# KiCad board Video Timer.kicad_pcb (continued)
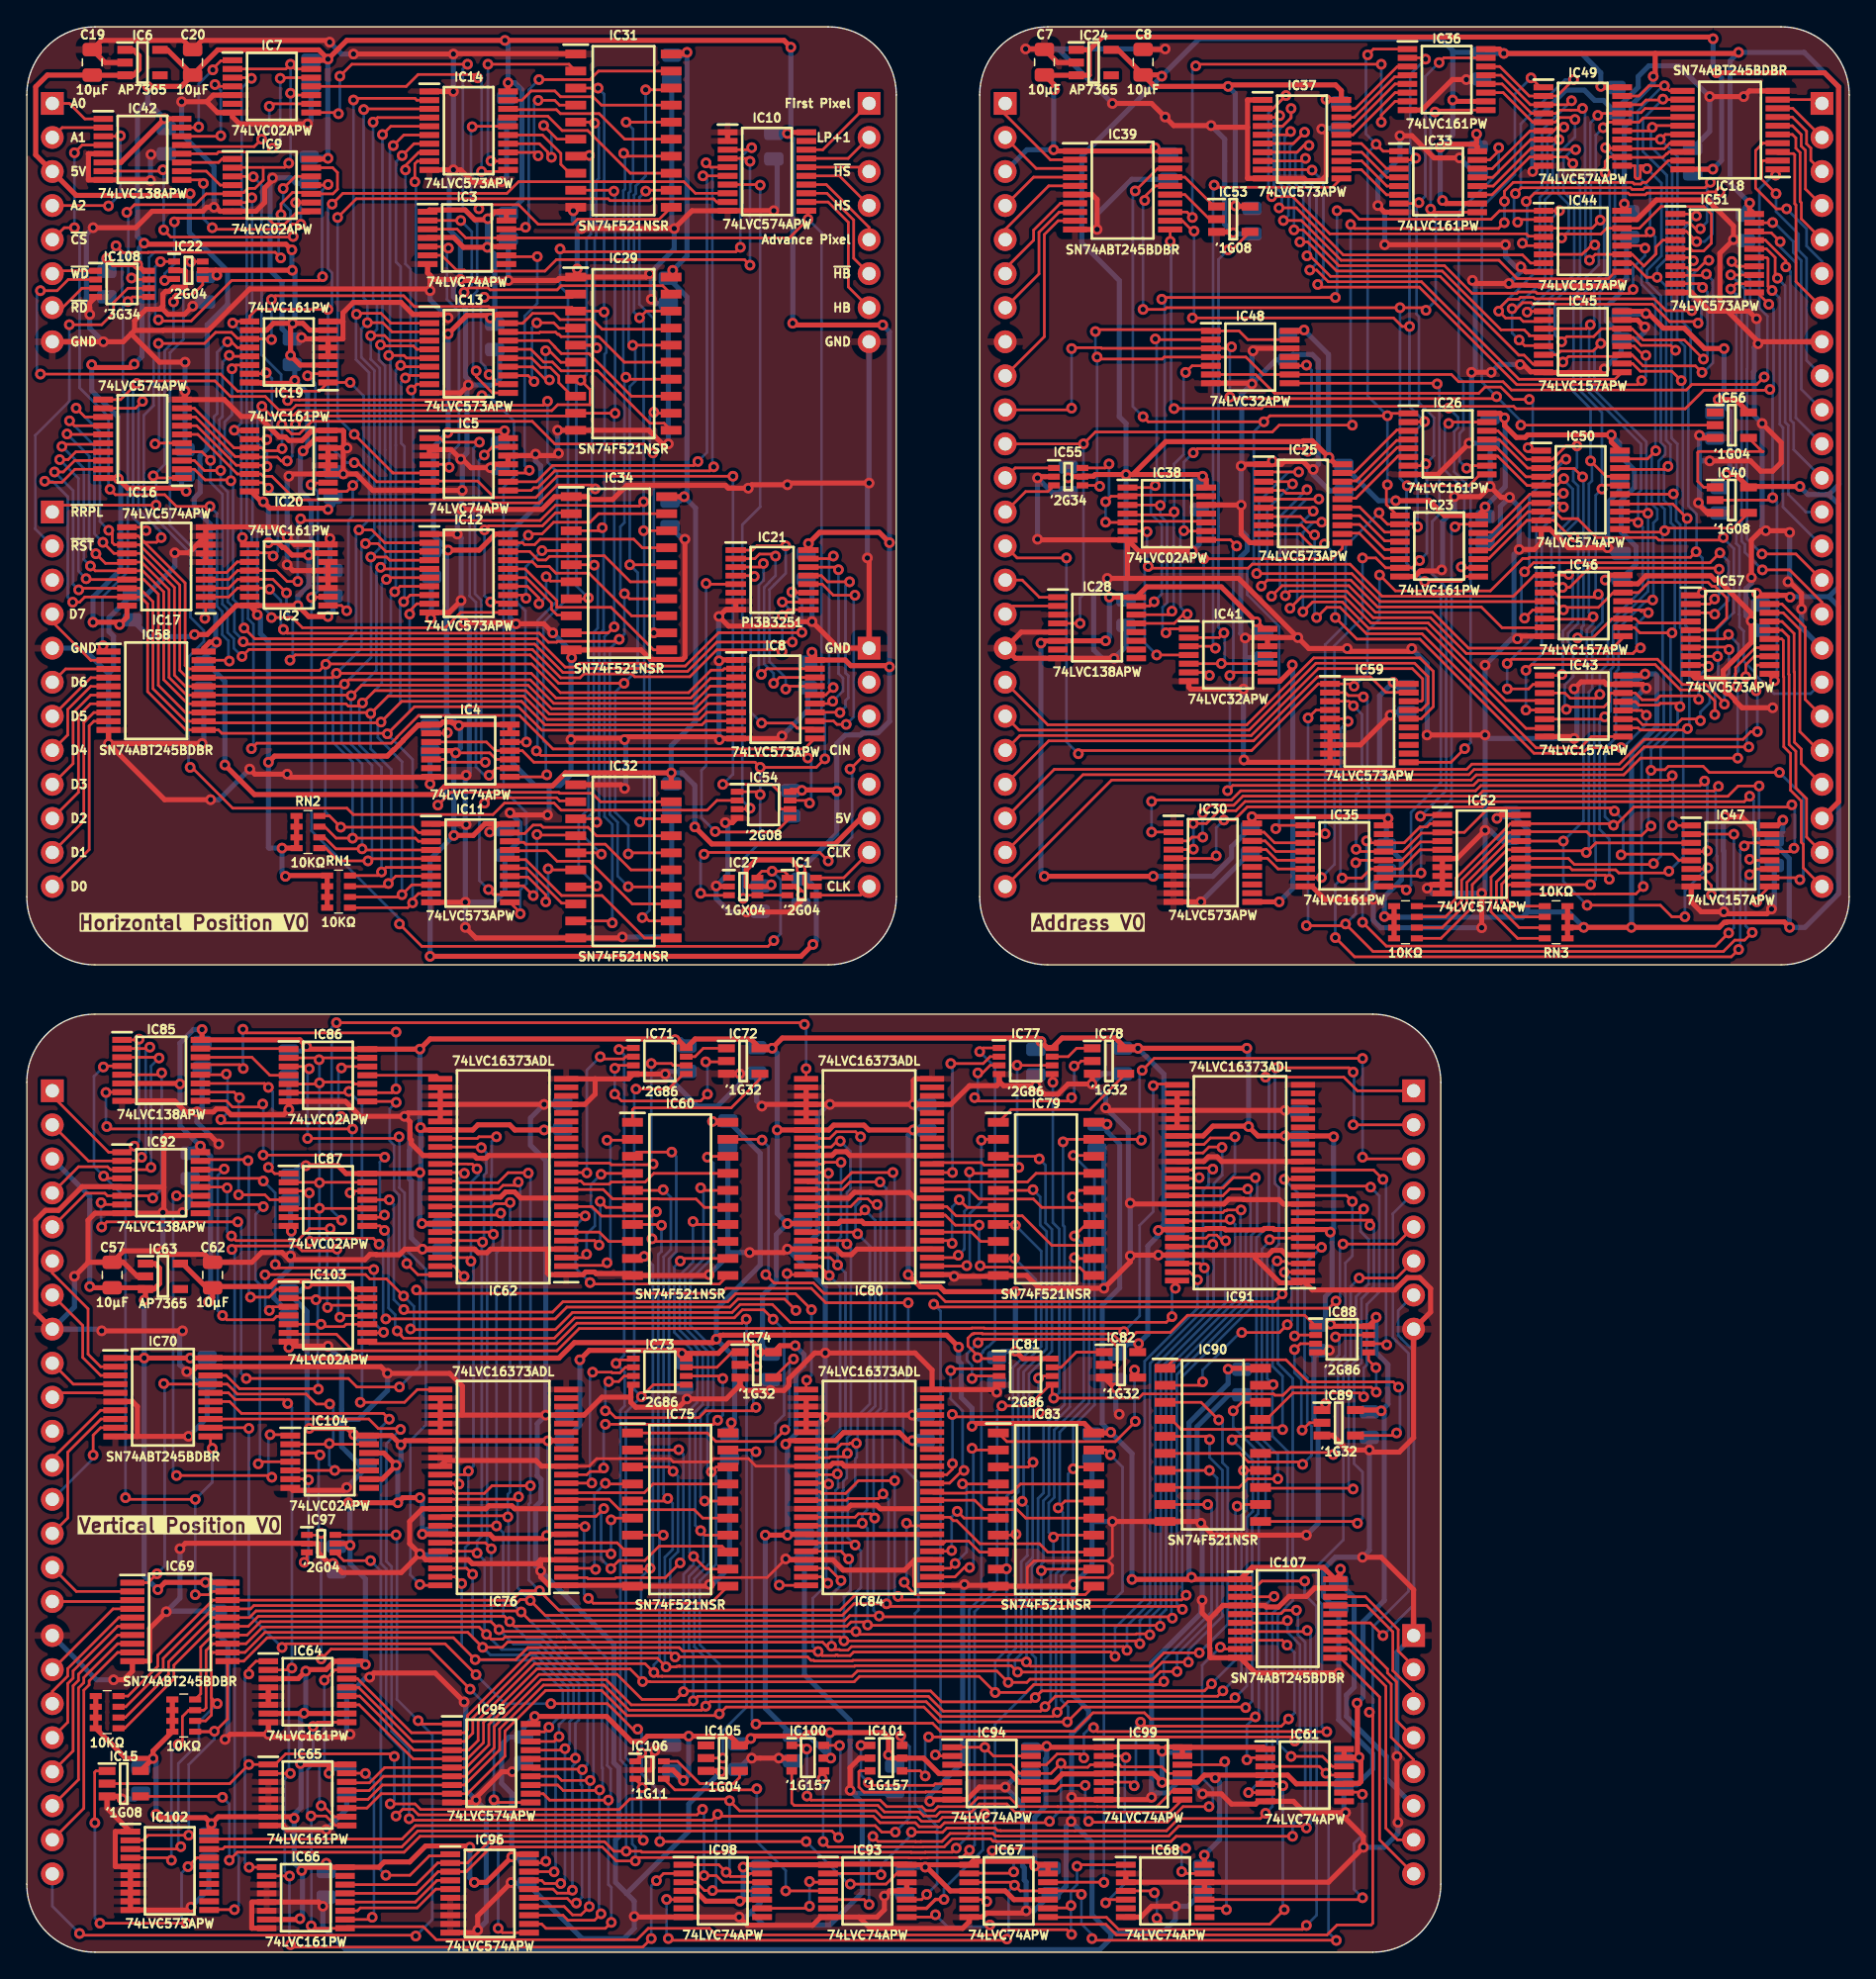
[diagram p0: board, top side]
## Routing (per net, layer and track width the routed paths; a pad name or vN(x,y) marks a point on that pad's centre or on a via; arc(x,y) is an arc through that point) (continued)
/Address Position/A0: length 4.5
  Top w0.2: IC28.1 75.58,101.08 74.29,102.36 J4.15
/Address Position/A1: length 4.2
  Top w0.2: J4.16 73.63,100.43 IC28.2
/Address Position/Address Bank ~{CS}: length 35.2
  Top w0.2: v1(95.6,111.96) 95.41,112.16 87.36,112.16 v1(87.06,111.86) ; v1(86.36,106.04) 86.39,106.01 IC38.9 ; IC48.10 95.46,118.35 v1(95.51,118.4) ; v1(86.61,99.82) 86.33,99.82 85.64,99.13 IC28.13
  Bottom w0.2: v1(95.6,111.96) 95.88,112.25 95.88,118.02 v1(95.51,118.4) ; v1(86.61,99.82) 86.11,100.33 86.11,105.79 v1(86.36,106.04) 86.36,111.16 v1(87.06,111.86)
/Address Position/Address High ~{CS}: length 26.6
  Top w0.2: v1(85.47,100.04) 85.21,99.78 IC28.14 ; v1(85.64,107.45) 85.41,107.23 82.24,107.23 ; IC48.5 86.98,118.35 v1(86.49,117.86)
  Bottom w0.2: v1(86.49,117.86) 86.34,117.71 86.34,111.73 85.64,111.03 v1(85.64,107.45) 85.6,107.41 85.6,100.17 v1(85.47,100.04)
/Address Position/Address Low ~{CS}: length 28.2
  Top w0.2: IC28.15 83.82,100.43 v1(84.14,100.75) ; v1(84.23,120.35) 84.28,120.3 IC48.2 ; v1(84.23,109.41) 84.08,109.26 IC38.1
  Bottom w0.2: v1(84.23,120.35) 84.33,120.25 84.33,109.51 v1(84.23,109.41) 83.9,109.08 83.9,107.31 84.71,106.5 84.71,101.32 v1(84.14,100.75)
/Address Position/Advance Pixel: length 34.3
  Top w0.2: v1(101.09,136.52) 101.09,137.05 102.12,138.07 IC36.7 ; IC39.13 86.59,129.82 v1(87,129.41) ; v1(101.09,140.84) 87.38,140.84 v1(87.25,140.72)
  Bottom w0.2: v1(87,129.41) 87,140.46 v1(87.25,140.72) ; v1(101.09,140.84) v1(101.09,136.52)
/Address Position/Advance Pixel _{IN}: length 7.7
  Top w0.2: 78.24,130.47 77.14,130.47 75.15,128.47 75.15,127.72 73.03,125.59
/Address Position/Advance Row: length 4.2
  Top w0.2: IC39.17 86.44,132.42 88.62,130.24
/Address Position/Advance Row _{IN}: length 6.2
  Top w0.2: J4.2 75.34,133.07 78.24,133.07
/Address Position/C0: length 43.8
  Top w0.2: IC36.14 109.94,140.67 112.14,138.47 IC49.2 114.22,138.47 v1(115.44,139.7) ; IC51.2 124.1,129.02 124.55,128.58 v1(124.9,128.58) ; v1(111.27,129.06) 111.47,129.26 IC44.2 ; v1(125.65,132.04) 125.25,131.63 120.76,131.63 120.64,131.51 119.81,131.51 119.68,131.63 111.53,131.63 v1(111.1,131.2)
  Bottom w0.2: v1(115.44,139.7) 114.81,139.7 111.51,136.4 111.51,131.6 v1(111.1,131.2) 111,131.09 111,129.34 v1(111.27,129.06) ; v1(124.9,128.58) 125.4,129.08 125.4,131.79 v1(125.65,132.04)
/Address Position/C1: length 42.8
  Top w0.2: v1(126.36,131.32) 125.5,131.32 125.41,131.23 120.93,131.23 120.8,131.11 119.64,131.11 119.52,131.23 112.53,131.23 v1(111.91,130.61) ; v1(111.62,127.49) 111.81,127.31 IC44.5 ; 108.9,140.02 110.02,140.02 112.22,137.82 IC49.3 114.99,137.82 v1(115.29,138.12) ; IC51.3 123.87,128.37 v1(124.63,127.61)
  Bottom w0.2: v1(115.29,138.12) 113.09,135.92 113.09,131.79 v1(111.91,130.61) 111.98,130.54 111.98,127.84 v1(111.62,127.49) ; v1(126.36,131.32) 125.8,130.76 125.8,128.19 125.23,127.61 v1(124.63,127.61)
/Address Position/C2: length 27.9
  Top w0.2: IC51.4 122.11,127.72 121.6,127.22 121.6,126.7 120.69,125.79 119.82,126.66 IC44.11 117.07,126.66 v1(116.63,126.22) ; IC36.12 110.11,139.37 112.31,137.17 IC49.4 114.13,137.17 114.38,137.42 115.26,137.42 115.26,137.42 115.84,137.42 115.84,137.42 115.98,137.42 v1(116.11,137.55)
  Bottom w0.2: v1(116.63,126.22) 116.33,126.52 116.33,131.9 116.3,131.93 116.3,137.36 v1(116.11,137.55)
/Address Position/C3: length 35.2
  Top w0.2: v1(115.55,136.72) 115.4,136.87 114.41,136.87 114.07,136.52 112.39,136.52 110.19,138.72 108.9,138.72 ; IC51.5 124.18,127.07 124.34,126.91 125.15,126.91 125.73,127.49 125.73,129.67 125.17,130.23 121.97,130.23 120.35,128.61 IC44.14 117.92,128.61 117.48,128.18 114.84,128.18 v1(114.55,127.89)
  Bottom w0.2: v1(115.55,136.72) 115.55,135.42 114.29,134.16 114.29,131.17 115.09,130.37 115.09,128.43 v1(114.55,127.89)
/Address Position/C4: length 48.1
  Top w0.2: 108.26,133.05 109.38,133.05 112.2,135.87 IC49.6 113.96,135.87 114.24,136.16 v1(114.73,136.16) ; IC51.6 124.16,126.42 v1(124.38,126.19) ; 113.09,121.65 111.69,121.65 111.43,121.91 110.37,121.91 v1(109.86,122.43) 109.86,122.6 110.57,123.31 111.33,123.31 111.48,123.46 112.45,123.46 112.56,123.34 121.47,123.34 122.35,122.46 v1(124.27,122.46)
  Bottom w0.2: v1(114.73,136.16) 114.24,136.16 113.49,135.41 113.49,131.48 112.92,130.91 112.92,125.67 109.86,122.6 v1(109.86,122.43) ; v1(124.38,126.19) 124.38,126.09 123.97,125.68 123.97,122.76 v1(124.27,122.46)
/Address Position/C5: length 49
  Top w0.2: v1(125.54,126.22) 125.39,126.22 124.67,125.49 124.09,125.49 123.92,125.67 123.15,125.67 ; v1(114.36,135.22) 112.24,135.22 109.42,132.4 IC33.13 ; 113.17,119.85 111.8,119.85 v1(111.38,120.27) ; v1(110.86,122.61) 111.2,122.61 111.65,123.05 112.28,123.05 112.39,122.94 121.31,122.94 122.6,121.65 124.63,121.65 v1(124.74,121.54)
  Bottom w0.2: v1(111.38,120.27) 110.86,120.79 v1(110.86,122.61) 111.05,122.61 113.32,124.88 113.32,130.74 113.89,131.31 113.89,134.76 v1(114.36,135.23) ; v1(125.54,126.22) 125.39,126.22 124.37,125.19 124.37,123.35 124.98,122.74 124.98,121.78 v1(124.74,121.54)
/Address Position/C6: length 47.5
  Top w0.2: 113.29,134.48 115.59,134.48 v1(115.6,134.47) ; IC45.11 119.81,119.17 120.63,118.34 124.54,118.34 v1(125.03,117.85) ; v1(125.36,125.19) 125.26,125.09 123.07,125.09 ; IC49.8 112.26,134.57 109.44,131.75 IC33.12 ; v1(114.65,118.63) 115.06,119.04 118.93,119.04
  Bottom w0.2: v1(125.36,125.19) 125.84,124.71 125.84,118.56 125.14,117.85 v1(125.03,117.85) ; v1(115.6,134.47) 115.37,134.47 114.69,133.8 114.69,131.34 115.49,130.54 115.49,125.19 113.65,123.34 113.65,119.63 v1(114.65,118.63)
/Address Position/C7: length 42.7
  Top w0.2: v1(125.07,124.2) 124.8,124.47 IC51.9 ; v1(114.55,120.14) 114.94,120.52 116.94,120.52 117.53,121.12 IC45.14 119.8,121.12 120.65,120.27 123.72,120.27 v1(125.14,118.85) ; IC33.11 109.36,131.1 112.18,133.92 IC49.9 114.9,133.92 v1(115.39,133.44)
  Bottom w0.2: v1(115.39,133.44) 115.39,132.28 115.93,131.74 115.93,125.06 114.05,123.18 114.05,120.65 v1(114.55,120.14) ; v1(125.14,118.85) 125.44,119.14 125.44,123.83 v1(125.07,124.2)
/Address Position/C8: length 37.6
  Top w0.2: 124.19,100.57 125.59,100.57 v1(125.97,100.95) ; IC46.2 114.35,102.08 v1(114.62,101.82) 115.15,101.82 116.59,103.26 126.23,103.26 v1(126.31,103.18) ; v1(115.7,112.37) 114.87,112.37 113.87,111.37 IC50.2 111.93,111.37 109.8,113.5 IC26.14
  Bottom w0.2: v1(114.62,101.82) 114.39,102.05 114.39,105.46 115.79,106.86 115.79,109.38 115.42,109.75 115.42,110.47 115.7,110.75 v1(115.7,112.37) ; v1(125.97,100.95) 126.31,101.29 v1(126.31,103.18)
/Address Position/C9: length 44.5
  Top w0.2: v1(114.88,111.38) 114.59,111.38 113.93,110.72 IC50.3 112.02,110.72 109.89,112.85 108.97,112.85 ; 113.4,100.12 112.39,100.12 v1(111.79,99.52) ; IC57.3 125.87,99.92 v1(125.98,99.82) ; v1(111.79,102.99) 112.46,103.66 125.63,103.66 v1(126.36,104.39)
  Bottom w0.2: v1(111.79,99.52) 111.55,99.76 111.55,102.75 v1(111.79,102.99) 112.14,103.34 112.14,108.64 v1(114.88,111.38) ; v1(126.36,104.39) 127.01,103.75 127.01,100.85 v1(125.98,99.82)
/Address Position/C10: length 29.8
  Top w0.2: 108.73,112.26 109.7,112.26 111.89,110.07 IC50.4 ; 124.07,99.16 120.38,99.16 120.05,99.48 IC46.11 ; 119.25,99.47 118.3,99.47 116.88,98.04 v1(115.74,98.04) ; 113.38,110.1 113.88,110.1 114.46,110.68 115.49,110.68 v1(116.12,110.06)
  Bottom w0.2: v1(116.12,110.06) 116.19,109.99 116.19,98.97 116.04,98.82 116.04,98.34 v1(115.74,98.04)
/Address Position/C11: length 36
  Top w0.2: v1(114.69,100.14) 114.87,100.32 117.29,100.32 118.39,101.42 119.25,101.42 ; IC57.5 125.97,98.62 126.87,99.53 126.87,101.03 126.01,101.9 125.78,101.9 125.49,102.19 121.04,102.19 120.29,101.43 IC46.14 ; IC50.5 111.98,109.42 109.79,111.61 108.73,111.61 ; 113.38,109.45 114.24,109.45 v1(114.72,109.93)
  Bottom w0.2: v1(114.69,100.14) 113.79,101.04 113.79,105.44 115.39,107.03 115.39,109.15 114.72,109.82 v1(114.72,109.93)
/Address Position/C12: length 53.9
  Top w0.2: v1(126.7,93.11) 126.7,93.2 125.33,94.57 123.59,94.57 121.7,96.46 110.81,96.46 v1(110.49,96.14) ; v1(127.01,98.3) 126.67,97.97 124.19,97.97 ; 108.1,105.94 109.34,105.94 112.17,108.77 IC50.6 114.62,108.77 v1(114.69,108.84) ; 113.4,94.58 112.42,94.58 112.08,94.24 v1(110.5,94.24)
  Bottom w0.2: v1(114.69,108.84) 114.69,108.77 114.43,108.51 114.4,108.51 113.99,108.1 113.99,108.07 112.67,106.75 112.67,98.32 v1(110.49,96.14) 110.49,94.25 v1(110.5,94.24) ; v1(126.7,93.11) 126.7,94.5 127.53,95.32 127.53,95.37 127.74,95.59 127.74,97.57 v1(127.01,98.3)
/Address Position/C13: length 50.3
  Top w0.2: v1(114.69,107.81) 114.38,108.12 IC50.7 112.13,108.12 109.3,105.29 108.1,105.29 ; 113.36,92.66 v1(111.89,92.66) ; v1(127.04,97.18) 126.86,97.36 124.23,97.36 ; v1(125.98,92.33) 125.98,93.35 125.17,94.17 123.42,94.17 121.53,96.06 112.31,96.06 v1(111.89,95.63)
  Bottom w0.2: v1(111.89,92.66) v1(111.89,95.63) 113.07,96.81 113.07,106.2 v1(114.69,107.81) ; v1(125.98,92.33) 126,92.35 126,94.36 127.04,95.4 v1(127.04,97.18)
/Address Position/C14: length 43.4
  Top w0.2: v1(126.62,105.54) 126.43,105.34 121.8,105.34 121.61,105.54 117.14,105.54 115.74,106.95 114.56,106.95 114.15,107.36 113.52,107.36 ; IC50.8 112.05,107.47 109.22,104.64 108.1,104.64 ; IC57.8 126.18,96.67 v1(126.19,96.66) ; v1(124.91,91.87) 124.78,92 123.54,92 123.12,91.58 120.59,91.58 120.17,91.99 IC43.11
  Bottom w0.2: v1(124.91,91.87) 124.91,92.52 125.6,93.21 125.6,94.53 126.24,95.16 126.24,96.61 v1(126.19,96.66) 126.19,98.73 127.41,99.95 127.41,104.71 126.62,105.5 v1(126.62,105.54)
/Address Position/C15: length 38.2
  Top w0.2: v1(115.49,105.56) 115.22,105.56 113.97,106.82 IC50.9 111.97,106.82 109.14,103.99 108.1,103.99 ; v1(124.78,93.46) 124.52,93.73 121.92,93.73 121.63,93.43 120.56,93.43 120.05,93.94 IC43.14 ; 119.25,93.93 118.22,93.93 118.1,93.81 118.1,93.29 117.71,92.9 115.08,92.9 v1(114.91,92.72) ; IC57.9 125.42,96.02 v1(125.52,95.92)
  Bottom w0.2: v1(114.91,92.72) 114.79,92.84 114.79,94.54 115.42,95.17 115.42,97.37 115.04,97.75 115.04,98.39 115.79,99.14 115.79,105.26 v1(115.49,105.56) ; v1(124.78,93.46) 124.78,95.19 v1(125.52,95.92)
/Address Position/C16: length 65.3
  Top w0.2: IC59.2 98.42,93.97 98.64,93.74 99.66,93.74 v1(99.76,93.65) ; v1(127.02,76.04) 126.04,75.06 101.47,75.06 v1(99.69,76.83) ; IC52.2 104.74,84.19 104.49,83.95 103.99,83.95 102.8,82.76 IC35.14 100.14,82.76 v1(99.99,82.91) ; IC47.2 127.41,83.41 v1(127.41,83.4)
  Bottom w0.2: v1(99.69,76.83) 99.69,78.73 99.99,79.03 v1(99.99,82.91) 100.18,83.1 100.18,86.83 100.06,86.96 100.06,93.35 v1(99.76,93.65) ; v1(127.41,83.4) 127.41,76.43 v1(127.02,76.04)
/Address Position/C17: length 42.8
  Top w0.2: IC47.5 123.3,81.46 122.84,81.92 119.04,81.92 v1(118.99,81.86) ; v1(99.01,92.98) 98.68,93.32 IC59.3 ; v1(118.49,85.13) 118.26,85.36 109.11,85.36 107.29,83.54 IC52.3 ; 105.59,83.48 104.09,83.48 102.72,82.11 IC35.13 99.38,82.11 v1(99.21,82.28)
  Bottom w0.2: v1(118.99,81.86) 119.14,82.02 119.14,84.48 v1(118.49,85.13) ; v1(99.21,82.28) 99.21,86.35 99.66,86.79 99.66,92.34 v1(99.01,92.98)
/Address Position/C18: length 70.4
  Top w0.2: v1(128.78,76.07) 128.21,75.5 127.47,75.5 126.63,74.66 100.48,74.66 v1(98.43,76.71) 98.3,76.58 v1(95.5,76.58) ; v1(128.59,80.39) 129,80.81 IC47.11 ; 97.26,92.67 96.22,92.67 v1(95.63,92.07) ; 105.59,82.83 104,82.83 102.63,81.46 IC35.12 99.37,81.46 v1(99.19,81.28)
  Bottom w0.2: v1(98.43,76.71) 99.19,77.47 v1(99.19,81.28) ; v1(95.5,76.58) 95.63,76.71 v1(95.63,92.07) ; v1(128.78,76.07) 128.29,76.56 128.29,80.09 v1(128.59,80.39)
/Address Position/C19: length 67.2
  Top w0.2: v1(127.76,74.8) 127.22,74.26 99.1,74.26 v1(97.66,75.69) ; IC59.5 98.42,92.02 v1(98.61,91.82) ; v1(128.19,82.53) 128.41,82.76 IC47.14 ; v1(98.17,80.14) 99.63,80.14 100.3,80.81 IC35.11 102.55,80.81 103.98,82.24 IC52.5
  Bottom w0.2: v1(97.66,75.69) 97.66,79.63 v1(98.17,80.14) 98.04,80.26 98.04,91.25 v1(98.61,91.82) ; v1(128.19,82.53) 127.89,82.23 127.89,74.93 v1(127.76,74.8)
/Address Position/D0: length 109.1
  Top w0.2: IC49.19 120.31,138.47 121.08,139.24 v1(122.22,139.24) 122.6,138.86 IC18.11 ; v1(131.89,82.36) 131.64,82.11 IC47.13 ; RN4.4 106.11,78.03 106.68,78.61 106.68,80.14 110.73,84.19 IC52.19 118.31,84.19 v1(118.43,84.07) 118.59,84.07 119.94,85.43 131.57,85.43 v1(131.73,85.6) ; v1(121.16,128.34) 120.87,128.06 119.15,128.06 ; v1(121.35,100.88) 121.24,100.77 119.25,100.77 ; v1(121.58,112.01) 120.97,111.4 119.26,111.4
  Bottom w0.2: v1(122.22,139.24) 122.12,139.24 120.22,137.34 120.22,132.51 121.16,131.57 v1(121.16,128.34) 121.54,127.96 121.54,126.65 120.52,125.63 120.52,124.43 121.56,123.4 121.56,112.04 v1(121.58,112.01) 121.28,111.71 121.28,108.05 121.69,107.63 121.69,106.92 121.4,106.63 121.4,100.93 v1(121.35,100.88) 120.92,100.88 118.8,98.76 118.8,95.71 118.61,95.52 118.61,90.62 117.91,89.93 117.91,89.42 117.79,89.29 117.79,84.71 v1(118.43,84.07) ; v1(131.89,82.36) 131.95,82.42 131.95,85.38 v1(131.73,85.6)
/Address Position/D0_{IN/OUT}: length 3
  Top w0.2: IC18.9 133.7,138.21
/Address Position/D1: length 114.8
  Top w0.2: IC44.10 119.83,126.01 120.89,124.95 v1(121.68,124.95) ; 111.57,83.59 116.42,83.59 116.7,83.31 120.53,83.31 v1(121.22,84.01) ; 119.25,98.82 120,98.82 120.4,98.42 v1(122.79,98.42) ; v1(121.22,88.17) 121.27,88.22 122.27,88.22 122.52,88.47 125.11,88.47 125.57,88.01 v1(130.81,88.01) ; v1(122.49,110.85) 122.26,110.62 119.4,110.62 ; IC49.18 120.5,137.82 120.85,138.18 122.05,138.18 v1(122.11,138.24) 122.15,138.21 IC18.12 ; 103.75,77.23 105.87,77.23 107.08,78.45 107.08,79.98 110.65,83.54 IC52.18 ; v1(132.33,80.01) 132.19,80.16 IC47.10
  Bottom w0.2: v1(122.11,138.24) 120.62,136.75 120.62,134.34 121.2,133.76 121.21,133.76 122.4,132.57 122.4,126.38 121.68,125.66 v1(121.68,124.95) 122.36,124.28 122.36,112.79 122.68,112.47 122.68,111.03 v1(122.49,110.85) 122.19,110.55 122.19,108.31 122.7,107.8 122.7,106.63 123,106.33 123,98.64 v1(122.79,98.42) 122.68,98.32 122.68,91.2 121.22,89.74 v1(121.22,88.17) 121.03,87.98 121.03,84.2 v1(121.22,84.01) ; v1(132.33,80.01) 132.59,80.27 132.59,86.23 v1(130.81,88.01)
/Address Position/D1_{IN/OUT}: length 4.2
  Top w0.2: IC18.8 131.81,137.56 J6.2
/Address Position/D2: length 106.7
  Top w0.2: IC49.17 117.4,137.17 v1(117.25,137.03) ; 122.8,137.54 120.78,137.54 120.48,137.24 119.19,137.24 ; v1(117.03,127.37) 116.82,127.37 116.38,126.92 116.34,126.92 116.08,126.66 IC44.6 ; v1(125.46,80.9) 125.37,80.81 IC47.6 ; 119.26,110.1 117.86,110.1 v1(116.71,111.25) ; v1(116.46,78.1) 121.92,78.1 122.78,77.24 v1(123.75,77.24) ; RN4.2 105.64,76.43 107.48,78.28 107.48,79.81 110.56,82.89 IC52.17 v1(114.68,82.89) ; 113.43,99.44 116.72,99.44 v1(116.9,99.62)
  Bottom w0.2: v1(125.46,80.9) 123.75,79.19 v1(123.75,77.24) ; v1(117.25,137.03) 116.7,136.47 116.7,132.1 116.73,132.07 116.73,127.67 v1(117.03,127.37) 117.33,127.07 117.33,125.9 116.19,124.75 116.19,124.3 115.44,123.56 115.44,116.41 116.71,115.14 v1(116.71,111.25) 116.82,111.15 116.82,109.77 116.59,109.54 116.59,99.94 v1(116.9,99.62) 116.9,99.12 116.44,98.66 116.44,94.78 116.19,94.53 116.19,84.39 v1(114.68,82.89) 114.68,79.88 v1(116.46,78.1)
/Address Position/D2_{IN/OUT}: length 6.1
  Top w0.2: IC18.7 131.78,136.91 132.83,135.85 132.83,134.91 133.15,134.59 133.15,133.67 J6.3
/Address Position/D3: length 97.9
  Top w0.2: RN4.1 105.55,75.63 107.88,77.97 107.88,79.64 110.48,82.24 IC52.16 ; IC47.3 117.11,82.76 v1(116.39,82.04) 116.27,82.17 111.6,82.17 ; v1(117.29,101.3) 117.07,101.09 114.35,101.09 114.03,101.42 113.4,101.42 ; IC44.3 116.82,128.61 v1(117.43,129.22) ; 119.26,109.45 117.85,109.45 v1(117.56,109.16) ; 123.51,136.84 120.64,136.84 120.33,136.52 118.07,136.52 v1(117.66,136.11)
  Bottom w0.2: v1(117.66,136.11) 117.1,135.55 117.1,132.27 117.43,131.93 v1(117.43,129.22) 117.73,128.92 117.73,125.33 116.59,124.19 116.59,124.14 115.99,123.54 115.99,116.43 117.56,114.86 v1(117.56,109.16) 117.09,108.69 117.09,101.5 v1(117.29,101.3) 117.6,100.99 117.6,99.25 116.84,98.49 116.84,94.26 116.59,94.01 116.59,82.23 v1(116.39,82.04)
/Address Position/D3_{IN/OUT}: length 8
  Top w0.2: J6.4 132.75,131.53 132.75,134.42 132.44,134.74 132.44,135.6 131.78,136.26 IC18.6
/Address Position/D4: length 95.2
  Top w0.2: IC49.15 121.06,135.87 v1(121.32,136.14) 121.46,136.27 123.56,136.27 ; v1(123.06,119.51) 122.69,119.87 120.48,119.87 119.89,120.47 IC45.13 ; IC50.15 122.87,108.77 v1(122.89,108.79) ; v1(123.38,92.92) 123.14,93.17 121.93,93.17 121.79,93.03 120.33,93.03 120.07,93.29 IC43.13 ; v1(121.41,81.21) 121.34,81.15 115.51,81.15 115.06,81.59 IC52.15 110.67,81.59 109.29,80.2 109.29,77.61 111.26,75.63 RN3.4
  Bottom w0.2: v1(121.41,81.21) 121.95,81.75 121.95,89.9 123.21,91.16 123.21,92.75 v1(123.38,92.92) 123.49,93.03 123.49,98.71 123.4,98.8 123.4,106.5 123.1,106.8 123.1,108.58 v1(122.89,108.79) 123.19,109.09 123.19,112.52 122.76,112.96 122.76,119.21 v1(123.06,119.51) 122.76,119.81 122.76,126.16 122.8,126.21 122.8,133.1 121.22,134.68 121.22,136.03 v1(121.32,136.14)
/Address Position/D4_{IN/OUT}: length 9.9
  Top w0.2: IC18.5 131.78,135.61 132.03,135.35 132.03,134.57 132.35,134.26 132.35,130.6 132.44,130.51 132.44,129.3 J6.5
/Address Position/D5: length 95.7
  Top w0.2: RN3.3 111.38,76.43 109.69,78.13 109.69,79.85 110.78,80.94 IC52.14 115.15,80.94 115.34,80.75 118.59,80.75 118.82,80.51 122.42,80.51 v1(122.55,80.64) ; IC45.10 119.85,118.52 120.43,117.94 122.78,117.94 v1(123.48,117.24) ; v1(123.95,91.28) 123.84,91.18 120.42,91.18 120.27,91.33 119.25,91.33 ; IC18.16 122.28,135.61 v1(121.92,135.24) 121.89,135.27 119.29,135.27 ; 118.98,108.04 122.85,108.04 v1(123.93,106.96)
  Bottom w0.2: v1(122.55,80.64) 123.64,81.73 123.64,90.97 v1(123.95,91.28) 124.08,91.42 124.08,98.69 123.8,98.97 123.8,106.84 v1(123.93,106.96) 123.59,107.3 123.59,117.13 v1(123.48,117.24) 123.76,117.51 123.76,119.8 123.17,120.38 123.17,126.01 123.2,126.05 123.2,133.96 v1(121.92,135.24)
/Address Position/D5_{IN/OUT}: length 13.6
  Top w0.2: v1(131.34,130.06) 130.57,130.06 129.03,131.6 129.03,134.41 129.58,134.96 IC18.4
  Bottom w0.2: v1(131.34,130.06) 132.83,128.57 132.83,127.29 133.98,126.14 J6.6
/Address Position/D6: length 89.4
  Top w0.2: IC52.13 110.69,80.29 110.09,79.68 110.09,78.3 111.15,77.23 113.29,77.23 ; IC50.13 120.87,107.47 v1(120.99,107.34) ; 119.32,134.54 122.22,134.54 122.63,134.96 IC18.17 ; IC43.6 117.59,91.99 v1(117.76,92.16) ; 111.59,80.35 117.81,80.35 v1(118.11,80.05) ; IC49.13 117.88,134.57 v1(117.83,134.62) ; IC45.6 114.2,119.17 114.48,119.44 116.9,119.44 v1(117.48,120.01)
  Bottom w0.2: v1(117.83,134.62) 118.53,133.92 118.53,125 118.26,124.73 118.26,124.71 117.39,123.85 117.39,120.1 v1(117.48,120.01) 117,119.54 117,116.55 120.88,112.68 120.88,107.46 v1(120.99,107.34) 121,107.33 121,101.52 118.4,98.92 118.4,95.88 118.21,95.68 118.21,92.6 v1(117.76,92.16) 117.39,91.78 117.39,83.77 118.11,83.05 v1(118.11,80.05)
/Address Position/D6_{IN/OUT}: length 13.6
  Top w0.2: J6.7 132.04,124.62 132.04,130.35 131.95,130.44 131.95,134.09 131.86,134.18 130.68,134.18
/Address Position/D7: length 84.1
  Top w0.2: RN3.1 110.93,78.03 110.49,78.48 110.49,79.51 110.61,79.64 IC52.12 116.71,79.64 v1(116.71,79.65) ; v1(116.69,121.41) 116.4,121.12 IC45.3 ; v1(117.8,132.76) 117.8,133.59 118.13,133.92 IC49.12 ; IC43.3 114.8,93.94 115.2,93.55 117.11,93.55 v1(117.41,93.84) ; v1(120.26,106.66) 120.1,106.82 IC50.12 ; IC18.18 122.57,134.31 122.44,134.17 122.39,134.17 122.12,133.89 119.1,133.89
  Bottom w0.2: v1(116.71,79.65) 117.09,80.03 117.09,82.78 116.99,82.89 116.99,93.42 v1(117.41,93.84) 117.41,95.5 118,96.1 118,99.09 120.6,101.69 120.6,106.32 v1(120.26,106.66) 120.26,108.84 120.48,109.06 120.48,112.51 116.6,116.38 116.6,121.32 v1(116.69,121.41) 116.99,121.7 116.99,124.01 117.86,124.88 117.86,124.9 118.13,125.17 118.13,132.42 v1(117.8,132.76)
/Address Position/D7_{IN/OUT}: length 19.1
  Top w0.2: IC18.2 129.58,133.66 129.48,133.56 129.48,132.27 v1(130.56,131.19)
  Bottom w0.2: J6.9 132.83,118.75 132.83,126.37 132.24,126.97 132.24,128.17 130.56,129.85 v1(130.56,131.19)
/Address Position/Device ~{CS}: length 85.1
  Top w0.2: v1(98.81,128.89) 99.11,128.59 109.83,128.59 v1(110.27,129.03) ; J4.11 v1(78.87,112.52) 79.76,113.41 92.96,113.41 93.47,113.92 v1(98.93,113.92) ; IC18.19 122.51,133.66 120.89,132.03 120.6,132.03 120.47,131.91 119.97,131.91 119.85,132.03 110.94,132.03 110.28,131.37 v1(110.28,130.62) ; IC28.4 v1(78.61,99.13)
  Bottom w0.2: v1(110.27,129.03) 110.28,129.04 v1(110.28,130.62) ; v1(98.93,113.92) 98.81,114.05 v1(98.81,128.89) ; v1(78.87,112.52) 78.87,101.29 78.61,101.03 v1(78.61,99.13)
/Address Position/GA0: length 17
  Top w0.2: IC51.19 130.29,129.02 v1(130.3,129.03)
  Bottom w0.2: v1(130.3,129.03) 130.43,129.03 131.84,127.63 131.84,126.81 132.44,126.21 132.44,116.61 J6.10
/Address Position/GA1: length 18.5
  Top w0.2: v1(130.86,127.61) 130.2,128.27 129.02,128.27
  Bottom w0.2: v1(130.86,127.61) 130.86,127.21 132.03,126.04 132.03,114.47 J6.11
/Address Position/GA2: length 20.3
  Top w0.2: IC51.17 129.76,127.72 131.28,126.2 v1(131.28,125.73)
  Bottom w0.2: J6.12 131.87,112.1 131.87,114.07 131.63,114.31 131.63,125.38 v1(131.28,125.73)
/Address Position/GA3: length 23
  Top w0.2: v1(130.66,124.88) 130.49,125.05 130.49,126.42 129.84,127.07 IC51.16
  Bottom w0.2: J6.13 132.78,107.44 131.47,108.75 131.47,113.9 131.23,114.14 131.23,124.31 v1(130.66,124.88)
/Address Position/GA4: length 24.2
  Top w0.2: IC51.15 129.86,126.42 129.96,126.32 129.96,124.27 v1(130.26,123.97)
  Bottom w0.2: J6.14 131.07,107.82 131.07,113.74 130.83,113.97 130.83,123.39 v1(130.26,123.97)
/Address Position/GA5: length 30
  Top w0.2: v1(127.26,126.13) 127.61,125.77 IC51.14 ; J6.15 132.04,104.31 v1(129.5,104.31)
  Bottom w0.2: v1(129.5,104.31) 128.39,105.43 128.39,118.1 128.4,118.1 128.4,122.37 128.62,122.59 128.62,124.76 v1(127.26,126.13)
/Address Position/GA6: length 31.2
  Top w0.2: v1(127.18,125.13) 127.18,125.12 IC51.13 ; v1(129.54,103.12) 131.57,103.12 133.98,100.71 133.98,99.88
  Bottom w0.2: v1(129.54,103.12) 128.23,104.44 128.23,105.02 127.99,105.26 127.99,122.53 128.22,122.76 128.22,124.08 v1(127.18,125.13)
/Address Position/GA7: length 37.4
  Top w0.2: v1(127.18,124.08) 127.57,124.47 IC51.12
  Bottom w0.2: v1(127.18,124.08) 127.59,123.66 127.59,105.09 127.83,104.86 127.83,101.24 127.81,101.22 127.81,99.78 127.83,99.76 127.83,98.87 128.14,98.55 128.14,96.3 129,95.45 129,95.3 130.41,93.89 133.13,93.89 J6.18
/Address Position/GA8: length 10.5
  Top w0.2: 130.06,100.57 131,100.57 132.73,98.84 132.73,93.45 J6.19
/Address Position/GA9: length 12.2
  Top w0.2: 133.58,89.81 132.33,91.06 132.33,98.68 131.09,99.92 IC57.18
/Address Position/GA10: length 14.3
  Top w0.2: IC57.17 131,99.27 131.9,98.37 131.9,95.51 131.93,95.47 131.93,94.23 131.93,90.26 132.44,89.76 132.44,88.67 J6.21
/Address Position/GA11: length 18.8
  Top w0.2: IC57.16 131,98.62 131.5,98.12 131.5,95.34 131.53,95.31 131.53,90.09 132.04,89.59 132.04,86.85 132.83,86.05 132.83,83.19 J6.23
/Address Position/GA12: length 20.6
  Top w0.2: 130.06,97.97 130.98,97.97 131.1,97.85 131.1,95.17 131.13,95.14 131.13,89.93 131.64,89.42 131.64,86.69 132.44,85.89 132.44,82.81 132.59,82.65 132.59,80.89 J6.24
/Address Position/GA13: length 68.6
  Top w0.2: v1(127.63,94.41) 127.54,94.51 127.54,94.78 127.53,94.79 127.53,95.37 127.54,95.38 127.54,95.85 129.02,97.32 IC57.14 ; J4.24 80.97,87.44 107.8,87.44 108.19,87.83 119.19,87.83 120.44,89.08 v1(127.7,89.08)
  Bottom w0.2: v1(127.7,89.08) 127.7,94.35 v1(127.63,94.41)
/Address Position/GA14: length 67
  Top w0.2: J4.23 78.83,87.84 107.63,87.84 108.02,88.23 119.02,88.23 120.71,89.92 v1(128.52,89.92) ; IC57.13 128.93,96.67 128.3,96.04 v1(128.3,95.16)
  Bottom w0.2: v1(128.52,89.92) 128.37,90.07 128.37,95.09 v1(128.3,95.16)
/Address Position/GA15: length 64.8
  Top w0.2: v1(129.16,91.06) 128.68,91.06 128.1,90.48 120.71,90.48 118.86,88.63 107.86,88.63 107.47,88.24 76.69,88.24 J4.22 ; v1(129.07,94.1) 129.03,94.14 129.03,95.92 129.13,96.02 IC57.12
  Bottom w0.2: v1(129.16,91.06) 129.16,94 v1(129.07,94.1)
/Address Position/GA16: length 33.9
  Top w0.2: 103.12,93.98 101.44,93.98 100.28,95.14 96.33,95.14 91.56,90.37 76.27,90.37 J4.21
/Address Position/GA17: length 36.7
  Top w0.2: J4.20 74.13,90.77 91.39,90.77 96.38,95.76 103.42,95.76 104.18,95 104.18,93.42 104.08,93.32 IC59.18
/Address Position/GA18: length 38.1
  Top w0.2: J4.19 74.06,91.17 91.22,91.17 96.22,96.16 103.58,96.16 104.58,95.16 104.58,93.17 104.08,92.67 103.14,92.67
/Address Position/GA19: length 40.6
  Top w0.2: IC59.16 104.08,92.02 104.98,92.92 104.98,95.55 103.97,96.56 96.05,96.56 91.06,91.57 76.2,91.57 J4.18
/Address Position/Graphics Address ~{OE}: length 109
  Top w0.2: v1(125.06,101.43) 124.85,101.22 IC57.1 ; v1(124.6,129.53) 124.46,129.67 123.05,129.67 ; J4.14 73.91,104.01 v1(77.6,104.01) ; v1(99.06,94.44) 98.89,94.62 IC59.1 96.39,94.62 91.42,89.64 78.72,89.64 v1(78.49,89.41) ; v1(124.59,104.48) 124.17,104.06 112.16,104.06 112.07,103.97 111.65,103.97 109.24,101.56 102.15,101.56 v1(100.97,102.74)
  Bottom w0.2: v1(125.06,101.43) 125.06,104 v1(124.59,104.48) 124.63,104.52 124.63,107.28 124.01,107.89 124.01,116.69 124.18,116.86 124.18,121.01 123.57,121.62 123.57,125.85 123.6,125.88 123.6,128.53 v1(124.6,129.53) ; v1(100.97,102.74) 100.97,99.45 100.06,98.54 100.06,95.44 v1(99.06,94.44) ; v1(78.49,89.41) 77.6,90.3 v1(77.6,104.01)
/Address Position/L0: length 31.8